# Altium PCB sensorboard.PcbDoc (part 2 of 2)
Units mm, origin at the board's own origin, x right, y up, seen from the top; angles counter-clockwise.
Board outline 60 x 60 mm, 4 copper layers (Top Layer, GND, VDD, Bottom Layer), stack 1.57 mm thick; 93 components, 66 nets, 334 pads, 98 vias.
Unrouted connection lines stored in the file: 120.
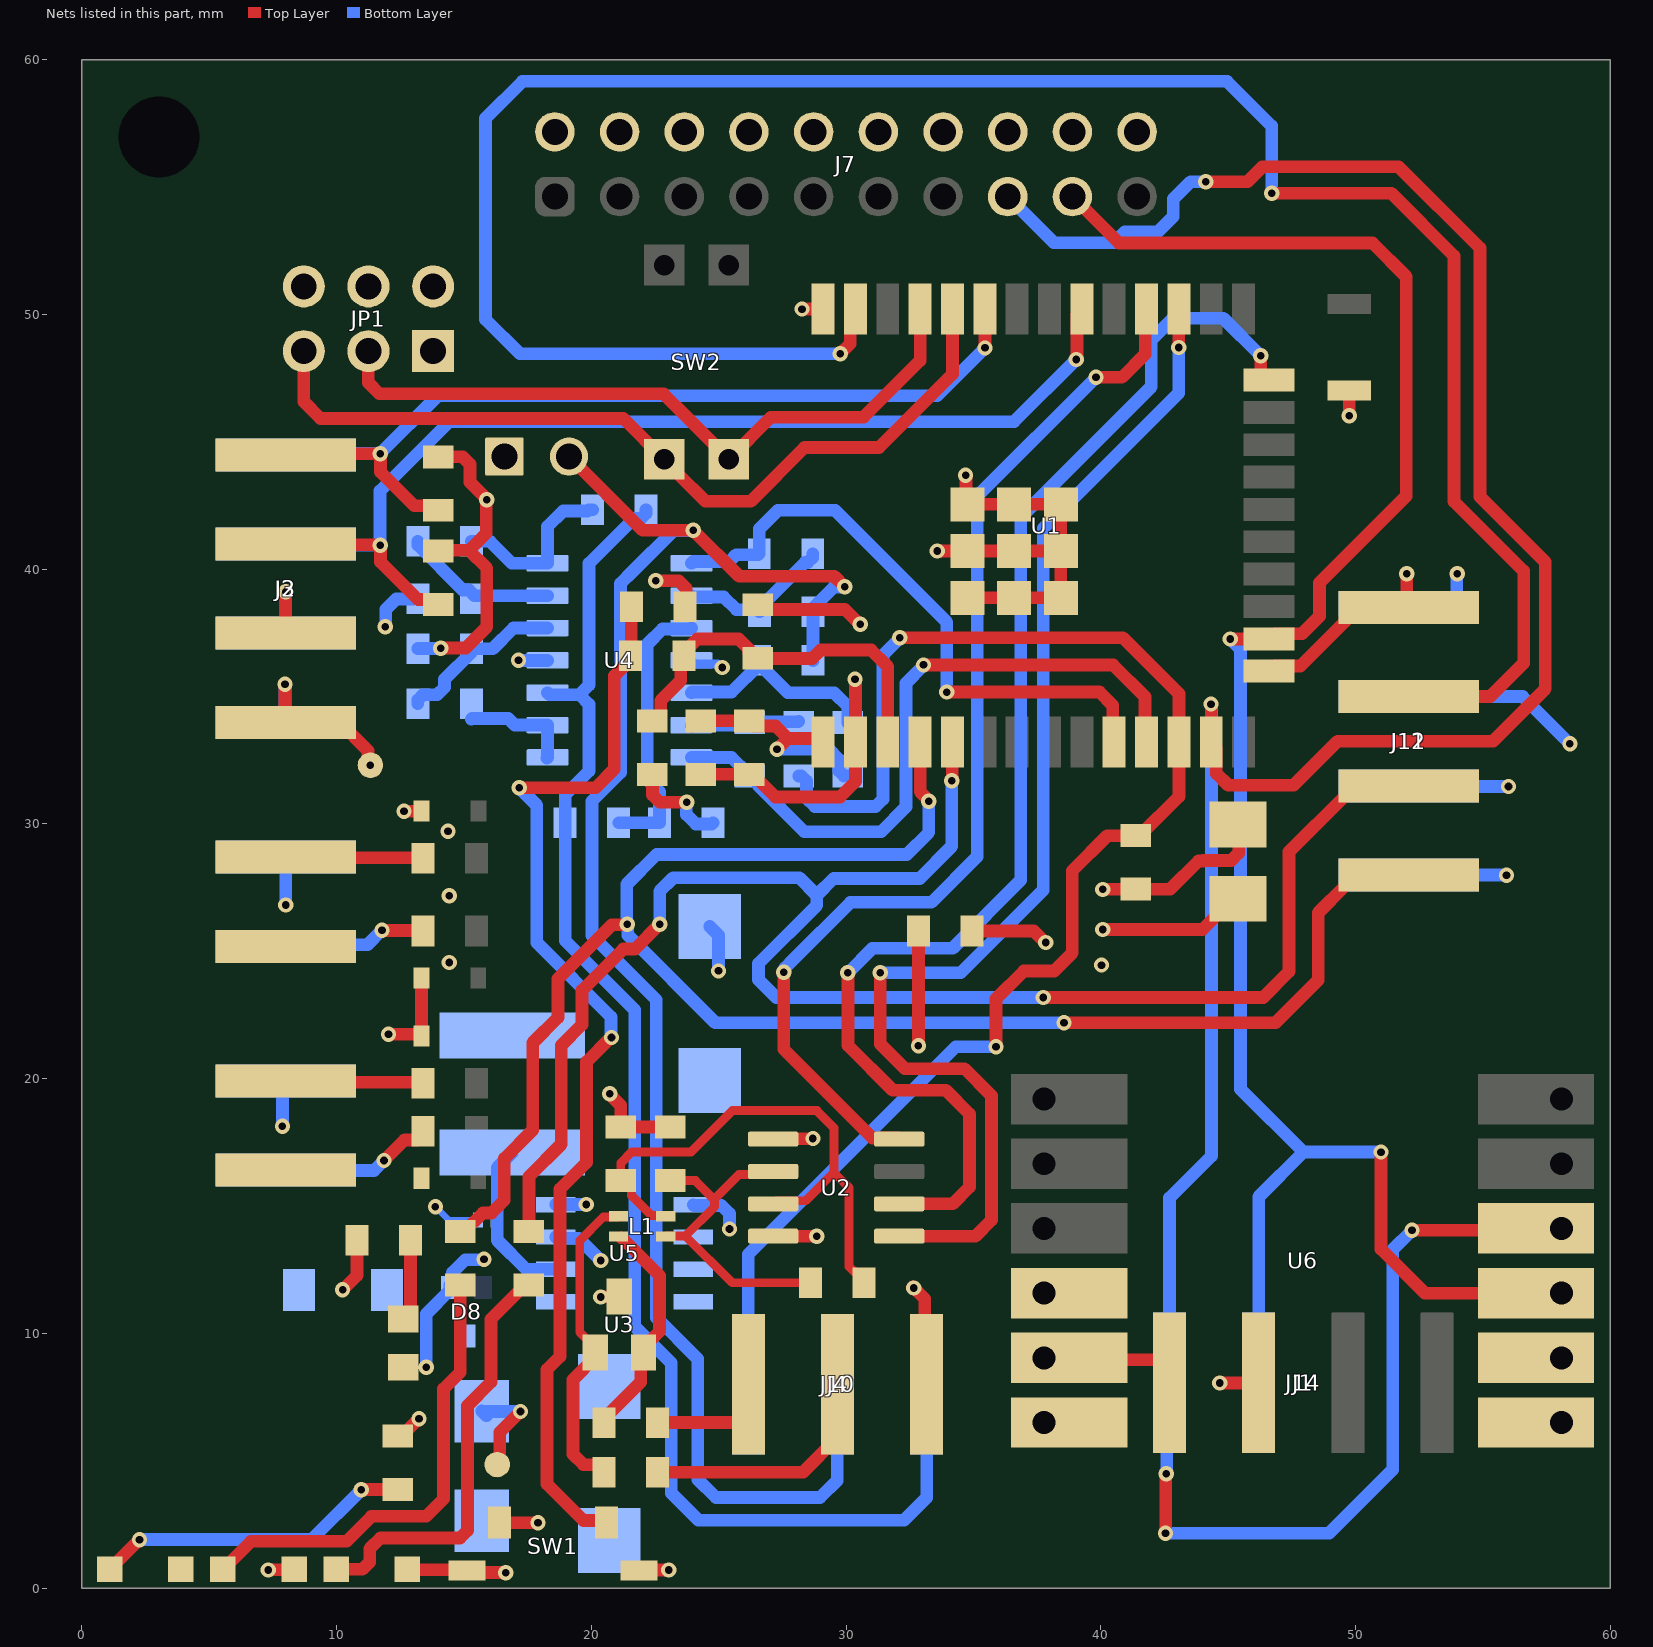
[diagram p4: the nets of this part, all layers, seen from the top]

## Via types
v1: diameter 0.6, hole 0.3, Top Layer to Bottom Layer, tented both sides, 98 vias

## Nets (pads, with @x,y where several pads share a name; then routed paths per layer and width w, separated by ;. In a path a pad name is that pad's centre, name@x,y a point inside that pad or via, vN(x,y) a via of type N, cw(c..) or ccw(c..) an arc to the next point about the centre after c; other vN are vias at no path point) (continued)
ETH_MOSI: J7.17 J14.3 U1.16 U6.9 | length 78.9
  Top Layer w0.5: J7.17@38.89,54.63 40.713,52.807 50.673,52.807 51.994,51.486 51.994,42.875 48.59,39.472 48.59,38.154 47.906,37.47 46.81,37.47 46.606,37.266 45.089,37.266 v1(45.085,37.262) ; v1(51.003,17.12) 51.003,13.31 52.733,11.58 U6.9@58.1,11.58
  Bottom Layer w0.5: v1(45.085,37.262) 45.491,36.855 45.491,19.583 47.955,17.12 ; J14.3@46.203,8.06 46.203,15.367 47.955,17.12 ; v1(51.003,17.12) 47.955,17.12 ; U6.9@57.996,11.633 U6.9@58.049,11.58
ETH_SCLK: J7.15 J14.4 U1.13 U6.10 | length 117
  Top Layer w0.5: v1(42.545,2.159) 42.558,2.172 42.558,4.483 v1(42.57,4.496) ; v1(44.12,55.22) 45.771,55.22 46.355,55.804 51.697,55.804 54.889,52.612 54.889,42.85 57.455,40.284 57.455,35.306 55.397,33.249 49.301,33.249 47.574,31.521 45.005,31.521 44.54,31.986 44.54,33.015 44.336,33.219 44.336,34.703 v1(44.332,34.707) ; v1(52.222,14.046) 58.026,14.046 U6.10@58.1,14.12
  Bottom Layer w0.5: J7.15@36.35,54.63 38.162,52.818 40.513,52.818 40.95,53.255 42.257,53.255 42.85,53.848 42.85,54.534 43.536,55.22 v1(44.12,55.22) ; v1(42.545,2.159) 48.971,2.159 51.46,4.648 51.46,13.284 v1(52.222,14.046) ; v1(42.57,4.496) 42.59,4.515 42.59,7.947 J14.4@42.703,8.06 42.703,15.321 44.348,16.967 44.348,34.69 v1(44.332,34.707)
GND: BR1.NEG BR1.~. C1.1 C2.1 C3.1 C4.1 C5.2 C7.2 C8.2 C9.2 C10.2 C11.2 D1.1 D2.1 D3.2 D4.2 D5.1 D6.1 D7.1 D8.1 D9.2 D10.2 D11.1 J1.2 J2.2 J3.3 J4.3 J5.2 J6.2 J7.12 J7.14 J7.16 J7.18 J7.20 J8.2 J9.2 J11.4 J12.3 J12.4 J13.2 J13.3 JP1.2 JP1.6 MH1.1 PS1.3 R16.2 R17.2 R22.2 R26.2 S1.2 SW1.1 SW1.3 SW1.4 U1.1 U1.15 U1.38 U1.39 U2.5 U3.3 U4.4 U5.4 U5.5 U5.6 U5.7 U5.8 U6.6 U6.7 U6.8 | length 107.1
  Top Layer w0.5: v1(7.315,0.711) 7.328,0.724 8.321,0.724 D3.2@8.334,0.737 ; J3.3@8,37.5 8.001,37.501 v1(8.001,39.116) ; v1(12.04,21.742) 13.275,21.742 D2.1@13.337,21.68 D6.1@13.338,23.95 ; v1(12.649,30.505) D1.1@13.34,30.505 ; D4.2@12.779,0.737 12.797,0.718 15.107,0.718 15.215,0.61 v1(16.637,0.61) ; SW1.1@16.4,2.585 16.58,2.585 16.6,2.565 v1(17.907,2.565) ; v1(20.373,11.43) 20.383,11.44 21.09,11.44 U3.3@21.1,11.45 ; v1(20.726,19.406) 20.726,19.379 21.158,18.947 21.158,18.108 C8.2@21.15,18.1 23.285,18.1 C7.2@23.4,17.985 ; SW1.4@21.875,0.7 21.886,0.711 v1(23.038,0.711) ; C3.1@22.4,31.95 22.403,31.947 22.403,31.143 22.696,30.85 v1(23.75,30.85) ; v1(22.53,39.549) 23.431,39.549 23.724,39.256 23.724,38.574 C4.1@23.681,38.532 ; C2.1@23.95,33.85 24.15,34.05 C1.1@26.2,34.05 26.4,33.85 27.228,33.85 27.718,33.36 ; U2.5@27.141,17.628 27.153,17.64 28.689,17.64 v1(28.701,17.652) ; v1(27.293,32.935) 27.718,33.36 ; v1(28.27,50.216) U1.38@29.099,50.216 ; U1.1@29.1,33.186 28.926,33.36 27.718,33.36 ; v1@32.625,11.825 v1(32.664,11.786) 33.096,11.354 33.096,8.28 33.15,8.227 J4.3@33.15,8 ; v1(33.579,40.716) v1(33.579,40.716) U1.39@34.765,40.715 U1.39@36.6,40.715 U1.39@38.435,40.715 ; v1(34.695,43.689) 34.714,43.67 34.714,42.601 U1.39@34.765,42.55 U1.39@36.6,42.55 U1.39@38.435,42.55 U1.39@38.435,40.715 ; U1.39@34.765,38.88 U1.39@36.6,38.88 U1.39@38.435,38.88 U1.39@38.435,40.715 ; C5.2@34.95,25.8 37.37,25.8 37.821,25.349 v1(37.846,25.349) ; v1(40.081,27.432) 40.089,27.44 R22.2@41.377,27.44 42.727,27.44 43.838,28.552 44.014,28.552 44.026,28.564 45.122,28.564 45.415,28.857 45.415,29.959 C11.2@45.39,29.984 ; v1(44.679,8.052) 46.194,8.052 J1.2@46.203,8.06 ; U1.15@46.61,36 46.81,36.2 47.838,36.2 49.589,37.951 49.589,38.104 49.987,38.501 J11.4@52.095,38.501 52.019,38.577 v1(52.019,39.827) ; v1(49.759,46.025) S1.2@49.759,47.092
  Bottom Layer w0.254: v1(13.88,14.974) 14.401,14.453 D11.1@15.55,14.453
  Bottom Layer w0.5: v1(7.874,18.136) 7.874,19.774 J8.2@8,19.9 ; J9.2@8,28.7 8.001,28.699 v1(8.001,26.822) ; J2.2@8,37.5 8.001,37.501 v1(8.001,39.116) ; v1(11.913,37.744) 11.932,37.764 11.932,38.424 12.344,38.837 R17.2@13.191,38.837 ; v1(13.525,8.668) 13.525,10.775 14.45,11.7 D8.1@14.45,11.9 ; D8.1@14.45,11.8 14.55,11.9 14.55,12.391 15.047,12.888 15.767,12.888 v1(15.786,12.907) ; v1(17.145,36.424) U4.4@18.282,36.424 ; U5.4@18.6,15.055 18.604,15.059 19.796,15.059 v1(19.8,15.062) ; v1(23.75,30.85) 23.732,30.832 23.732,30.37 24.105,29.997 24.731,29.997 R16.2@24.782,30.048 ; U5.5@24,15.055 24.029,15.026 25.106,15.026 25.425,14.707 v1(25.425,14.097) ; C10.2@24.65,25.975 24.994,25.631 v1(24.994,24.232) ; v1(27.293,32.935) 29.32,32.935 29.724,32.532 29.724,32.085 29.924,31.885 R26.2@30.074,31.885 ; J12.4@52.1,28 52.105,27.995 55.926,27.995 v1(55.931,27.991) ; J12.3@52.1,31.5 52.129,31.471 v1(56.007,31.471)
GPIO_1: J11.1 R9.2 U1.4 | length 69.8
  Top Layer w0.5: R9.2@14.859,13.995 15.009,13.995 15.746,14.732 16.078,14.732 16.586,15.24 16.586,16.866 17.704,17.983 17.704,21.412 18.694,22.403 18.694,23.927 20.81,26.043 21.392,26.043 v1(21.411,26.062) ; U1.4@32.91,33.215 32.91,31.268 33.254,30.924 v1(33.254,30.897) ; v1(38.557,22.2) 46.863,22.2 48.539,23.876 48.539,26.518 49.589,27.568 49.589,27.603 49.987,28.001 J11.1@52.095,28.001
  Bottom Layer w0.5: v1@21.393,26.08 21.393,27.632 22.565,28.804 32.385,28.804 33.254,29.672 v1(33.254,30.897) ; v1(21.411,26.062) 21.43,26.043 21.43,25.636 24.867,22.2 v1(38.557,22.2)
GPIO_2: J11.2 R10.2 U1.5 | length 68.9
  Top Layer w0.5: R10.2@17.551,13.995 17.551,16.154 18.821,17.424 18.821,21.31 19.634,22.122 19.634,23.47 21.26,25.095 21.717,25.095 v1(22.684,26.062) ; v1(34.154,31.699) 34.167,31.712 34.167,33.202 U1.5@34.18,33.215 ; v1(37.744,23.19) 46.38,23.19 47.396,24.206 47.396,28.91 49.589,31.103 49.987,31.501 J11.2@52.095,31.501
  Bottom Layer w0.5: v1(22.684,26.062) 22.684,27.357 23.216,27.889 28.169,27.889 28.854,27.203 ; v1(34.154,31.699) 34.154,29.125 32.893,27.864 29.515,27.864 28.854,27.203 ; v1@37.744,23.216 37.719,23.19 27.262,23.19 26.568,23.884 26.568,24.519 28.854,26.805 28.854,27.203
GPIO_3: J11.3 U1.37 | length 89.6
  Top Layer w0.5: v1(29.769,48.463) 30.17,48.864 30.17,50.015 U1.37@30.37,50.215 ; v1(46.711,54.762) 51.41,54.762 53.873,52.299 53.873,42.664 56.605,39.932 56.605,36.31 55.296,35.001 J11.3@52.095,35.001
  Bottom Layer w0.5: v1(29.769,48.463) 17.196,48.463 15.85,49.809 15.85,57.709 17.297,59.157 44.958,59.157 46.711,57.404 v1(46.711,54.762)
I2C_SCL: J2.3 J3.2 R3.1 U1.30 | length 44.8
  Top Layer w0.5: J3.2@8,41 8.036,40.964 11.69,40.964 v1@11.729,40.926 ; v1(11.709,40.945) v1@11.729,40.926 ; R3.1@13.995,38.616 13.795,38.816 13.203,38.816 11.729,40.291 v1@11.729,40.926 ; v1(39.04,48.235) 39.04,48.262 39.065,48.287 39.065,50.02 U1.30@39.26,50.215
  Bottom Layer w0.5: J2.3@8,41 8.061,40.939 11.703,40.939 v1(11.709,40.945) 11.709,43.078 14.427,45.796 36.601,45.796 v1(39.04,48.235)
I2C_SDA: J2.4 J3.1 R4.1 U1.33 | length 38.1
  Top Layer w0.5: J3.1@8,44.5 8.038,44.538 v1(11.709,44.538) 11.729,44.519 11.729,43.821 13.059,42.491 13.821,42.491 R4.1@13.995,42.316 ; U1.33@35.45,50.215 35.454,50.211 35.454,48.696 v1(35.458,48.692)
  Bottom Layer w0.5: J2.4@8,44.5 8.052,44.552 11.709,44.552 13.97,46.812 33.579,46.812 v1(35.458,48.692)
MODBUS_*RE: U1.24 U2.2 | length 51.8
  Top Layer w0.5: v1(30.072,24.157) 30.079,24.15 30.079,21.306 31.838,19.546 33.921,19.546 34.849,18.618 34.849,15.748 34.188,15.088 U2.2@32.93,15.088 ; v1(46.279,48.387) 46.279,47.63 46.479,47.43 U1.24@46.61,47.43
  Bottom Layer w0.5: v1(30.072,24.157) 31.036,25.121 34.188,25.121 36.863,27.795 36.863,42.044 41.986,47.168 41.986,48.997 42.845,49.855 44.811,49.855 v1(46.279,48.387)
MODBUS_D: U1.28 U2.4 | length 43.4
  Top Layer w0.5: v1(27.559,24.181) 27.552,24.174 27.552,21.165 31.045,17.673 32.046,17.673 U2.4@32.091,17.628 ; v1(39.814,47.536) 40.831,47.536 41.747,48.453 41.747,50.163 U1.28@41.8,50.215
  Bottom Layer w0.5: v1(27.559,24.181) 27.559,24.208 27.604,24.252 27.604,24.352 27.908,24.657 30.175,26.924 33.35,26.924 35.154,28.727 35.154,42.875 v1(39.814,47.536)
MODBUS_R: U1.27 U2.1 | length 48.7
  Top Layer w0.5: v1(31.344,24.155) 31.349,24.15 31.349,21.356 32.309,20.396 34.646,20.396 35.712,19.329 35.712,14.453 35.077,13.818 U2.1@32.93,13.818 ; v1(43.064,48.706) 43.067,48.709 43.067,50.212 U1.27@43.07,50.215
  Bottom Layer w0.5: v1(31.344,24.155) 34.493,24.155 37.743,27.405 37.743,41.603 43.064,46.925 v1(43.064,48.706)
NetC3_2: C3.2 R1.1 R2.2 U1.3 | length 15.3
  Top Layer w0.5: C3.2@22.4,34.05 22.522,34.05 22.722,34.25 22.722,34.838 23.511,35.627 23.511,36.465 R2.2@23.647,36.601 23.647,36.751 24.158,37.262 25.789,37.262 26.193,36.858 26.193,36.708 26.393,36.508 R1.1@26.543,36.508 26.551,36.5 28.677,36.5 29.007,36.83 30.988,36.83 31.64,36.178 U1.3@31.64,33.215
NetC4_2: C4.2 R2.1 SW1.2 | length 43.5
  Top Layer w0.5: v1(17.17,31.42) 20.167,31.419 20.904,32.156 20.904,35.808 21.547,36.451 R2.1@21.547,36.601 21.564,36.618 21.564,38.515 C4.2@21.581,38.532 ; SW1.2@20.6,2.585 20.526,2.659 19.693,2.659 18.263,4.089 18.263,8.585 18.773,9.096 18.773,15.675 19.812,16.713 19.812,20.663 20.765,21.615 v1(20.792,21.615)
  Bottom Layer w0.5: v1(17.17,31.42) 17.856,30.734 17.856,25.342 20.772,22.426 20.772,21.635 v1(20.792,21.615)
NetC6_2: C6.2 L3.2 PS1.1
NetC7_1: C7.1 L1.1 R29.1 U2.6 | length 13.2
  Top Layer w0.35: L1.1@22.925,13.8 22.95,13.825 23.696,13.825 ; C7.1@23.1,16 24.086,16 24.791,15.294 24.845,15.294 ; U2.6@27.141,16.358 27.021,16.238 25.788,16.238 24.845,15.294 ; R29.1@28.6,11.989 25.533,11.989 23.696,13.825 ; 23.696,13.825 24.845,14.973 24.845,15.294
NetC8_1: C8.1 L1.2 R29.2 U2.7 | length 22.2
  Top Layer w0.35: L1.2@22.925,14.6 22.9,14.625 22.37,14.625 21.575,15.42 21.575,15.725 21.3,16 C8.1@21.15,16 21.158,16.008 21.158,16.688 21.595,17.125 23.917,17.125 25.538,18.745 28.854,18.745 29.526,18.074 29.526,16.318 ; U2.7@27.141,15.088 27.261,15.208 28.416,15.208 29.526,16.318 ; R29.2@30.7,11.989 30.7,12.139 30.425,12.414 30.329,12.414 30.124,12.619 30.124,15.719 29.526,16.318
NetC12_1: C12.1 L3.3 PS1.2
NetC13_2: C13.2 F2.2 L3.1 R30.2
NetD3_1: D3.1 R9.1 | length 18.5
  Top Layer w0.5: D3.1@5.534,0.737 6.634,1.837 10.388,1.837 11.371,2.819 13.512,2.819 14.199,3.505 14.199,7.823 14.859,8.484 R9.1@14.859,11.895
NetD4_1: D4.1 R10.1 | length 16.8
  Top Layer w0.5: D4.1@9.979,0.737 11.01,0.737 11.303,1.029 11.303,1.549 11.723,1.969 14.846,1.969 15.138,2.262 15.138,7.163 16.066,8.09 16.066,10.56 17.401,11.895 R10.1@17.551,11.895
NetD9_1: D9.1 R27.1 | length 3.2
  Top Layer w0.5: D9.1@12.625,10.568 12.628,10.568 12.903,10.843 R27.1@12.903,13.665
NetD10_1: D10.1 R28.1 | length 12.6
  Top Layer w0.5: D10.1@1.089,0.737 v1@2.259,1.906 ; v1(10.973,3.861) 10.981,3.869 R28.1@12.395,3.869
  Bottom Layer w0.5: v1(2.261,1.905) 9.017,1.905 v1(10.973,3.861)
NetD11_2: D11.2 L2.2 U5.2 | length 6.5
  Bottom Layer w0.5: L2.2@16.9,17.1 16.307,16.507 16.307,14.453 16.307,13.659 17.451,12.515 U5.2@18.6,12.515
NetJ4_1: J4.1 R5.1 | length 4.8
  Top Layer w0.5: R5.1@22.6,6.5 25.752,6.5 26.15,6.898 J4.1@26.15,8
NetJ4_2: J4.2 R6.1 | length 9.7
  Top Layer w0.5: R6.1@22.6,4.55 28.308,4.55 29.65,5.892 J4.2@29.65,8
NetJ5_1: J5.1 R7.2 | length 5.4
  Top Layer w0.5: J5.1@8.024,28.676 13.296,28.676 R7.2@13.4,28.572
NetJ6_1: J6.1 R8.2 | length 5.4
  Top Layer w0.5: J6.1@8,19.9 8.035,19.865 13.365,19.865 R8.2@13.4,19.83
NetJ8_1: J8.1 R11.2 | length 6.1
  Top Layer w0.5: v1(11.862,16.789) 12.665,17.593 13.2,17.593 13.4,17.793 R11.2@13.4,17.943
  Bottom Layer w0.5: J8.1@8,16.4 11.472,16.4 v1(11.862,16.789)
NetJ9_1: J9.1 R20.2 | length 5.7
  Top Layer w0.5: v1(11.786,25.832) 11.802,25.816 13.384,25.816 R20.2@13.4,25.8
  Bottom Layer w0.5: J9.1@8,25.2 8.059,25.259 11.213,25.259 v1(11.786,25.832)
NetL1_3: L1.3 R6.2 U3.1 | length 12.5
  Top Layer w0.35: U3.1@20.15,9.25 20.15,9.45 19.548,10.052 19.548,13.644 20.479,14.575 21.05,14.575 L1.3@21.075,14.6
  Top Layer w0.5: U3.1@20.15,9.25 20.15,9.05 19.279,8.179 19.279,5.258 19.688,4.849 20.3,4.849 20.5,4.649 R6.2@20.5,4.55
NetL1_4: L1.4 R5.2 U3.2 | length 8.8
  Top Layer w0.5: R5.2@20.5,6.5 20.5,6.65 21.945,8.095 21.945,9.145 U3.2@22.05,9.25 22.05,9.45 22.682,10.082 22.682,12.268 L1.4@21.2,13.75
NetR12_1: R12.1 R14.1 U4.9 | length 6.1
  Bottom Layer w0.5: U4.9@23.932,38.964 23.983,38.913 25.197,38.913 25.695,38.415 26.516,38.415 R14.1@26.602,38.329 26.602,38.479 28.388,40.265 28.494,40.265 28.694,40.465 R12.1@28.694,40.615
NetR13_1: R13.1 R18.2 U4.7 | length 6.8
  Bottom Layer w0.5: R13.1@15.291,41.097 16.027,41.097 16.891,40.234 U4.7@18.282,40.234 18.282,41.676 18.898,42.291 19.849,42.291 19.9,42.342 R18.2@20.049,42.342
NetR13_2: R13.2 R17.1 U4.6 | length 6.1
  Bottom Layer w0.5: R13.2@13.191,41.097 13.191,40.947 14.951,39.187 15.195,39.187 15.418,38.964 U4.6@18.282,38.964
NetR15_1: R15.1 R16.1 U4.10 | length 10.8
  Bottom Layer w0.5: R15.1@21.074,30.048 R16.1@22.682,30.048 22.682,31.267 22.2,31.75 22.2,37.059 22.792,37.651 23.89,37.651 U4.10@23.932,37.694
NetR19_1: R19.1 R24.2 U4.5 | length 6.7
  Bottom Layer w0.5: R24.2@13.191,34.722 13.191,34.872 13.391,35.072 13.948,35.072 14.241,35.365 14.241,35.681 15.291,36.731 R19.1@15.291,36.881 16.129,36.881 16.942,37.694 U4.5@18.282,37.694
NetR21_1: R21.1 R23.1 U4.13 | length 4.3
  Bottom Layer w0.5: U4.13@23.932,33.884 26.111,33.884 26.238,34.011 28.118,34.011 R23.1@28.143,34.036
NetR24_1: R24.1 U4.1 U4.2 | length 4.4
  Bottom Layer w0.5: 15.291,34.112 15.316,34.138 16.739,34.138 16.993,33.884 U4.2@18.282,33.884 U4.1@18.282,32.614 U4.1@18.257,32.588
NetR25_1: R25.1 R26.1 U4.12 | length 7.9
  Bottom Layer w0.5: U4.12@23.932,35.154 23.958,35.179 25.507,35.179 26.602,36.274 27.722,35.154 29.534,35.154 30.074,34.614 R26.1@30.074,33.985
RT_1: R12.2 U1.10 U4.8 | length 24.2
  Top Layer w0.5: v1(33.96,35.179) 39.954,35.179 40.469,34.664 40.469,33.276 U1.10@40.53,33.215
  Bottom Layer w0.5: U4.8@23.932,40.234 24.007,40.309 25.424,40.309 25.687,40.571 26.55,40.571 R12.2@26.594,40.615 26.594,41.58 27.33,42.316 29.566,42.316 33.96,37.922 v1(33.96,35.179)
RT_2: R21.2 U1.11 U4.14 | length 27.1
  Top Layer w0.5: v1(33.045,36.246) 40.488,36.246 41.739,34.995 41.739,33.276 U1.11@41.8,33.215
  Bottom Layer w0.5: U4.14@23.932,32.614 25.507,32.614 25.863,32.258 25.863,32.085 26.063,31.885 26.363,31.885 26.563,31.685 26.563,31.502 28.372,29.693 31.37,29.693 32.354,30.676 32.354,35.527 33.045,36.219 v1(33.045,36.246)
RTD_1: J10.1 R15.2 R18.1 U4.3 | length 58.7
  Bottom Layer w0.5: U4.3@18.282,35.154 18.357,35.079 19.531,35.079 ; R18.1@22.149,42.342 22.149,42.192 21.949,41.992 21.672,41.992 19.914,40.234 19.914,35.461 19.531,35.079 ; J10.1@33.167,8.001 33.172,7.996 33.172,3.556 32.283,2.667 24.206,2.667 23.139,3.734 23.139,8.834 21.705,10.268 21.705,22.695 18.974,25.427 R15.2@18.974,30.048 18.974,31.14 19.914,32.08 19.914,34.696 19.531,35.079
RTD_2: J10.2 JP2.2 R14.2 R25.2 | length 67.5
  Top Layer w0.5: JP2.2@19.126,44.425 22.022,41.529 v1(24.003,41.529) 25.806,39.726 29.54,39.726 v1(29.947,39.319)
  Bottom Layer w0.5: v1(24.003,41.529) 23.984,41.51 23.217,41.51 21.63,39.922 21.15,39.442 21.15,32.023 20.024,30.897 20.024,25.621 22.555,23.09 22.555,10.62 24.181,8.995 24.181,4.267 24.892,3.556 28.981,3.556 29.655,4.229 29.655,7.988 J10.2@29.667,8.001 ; R25.2@28.702,36.424 28.702,38.479 28.902,38.679 29.523,39.3 29.927,39.3 v1(29.947,39.319)
RTD_3: J10.3 R22.1 R23.2 U1.12 | length 59.3
  Top Layer w0.5: v1(32.106,37.313) 40.869,37.313 43.07,35.111 U1.12@43.07,33.215 43.07,31.084 41.527,29.54 40.259,29.54 38.887,28.169 38.887,24.943 38.176,24.232 36.982,24.232 35.89,23.139 v1(35.89,21.26)
  Bottom Layer w0.5: J10.3@26.167,8.001 26.167,13.112 34.315,21.26 v1(35.89,21.26) ; R23.2@28.143,31.885 28.248,31.885 28.448,31.685 28.448,31.013 28.778,30.683 31.159,30.683 31.451,30.976 31.451,36.631 32.106,37.286 v1(32.106,37.313)
RXD0: JP1.5 SW2.2 U1.34 | length 32.9
  Top Layer w0.5: JP1.5@8.712,48.565 8.712,46.584 9.373,45.923 21.26,45.923 SW2.2@22.86,44.323 ; SW2.2@23.41,43.773 23.41,43.748 24.486,42.672 26.264,42.672 28.372,44.78 31.293,44.78 34.18,47.667 U1.34@34.18,50.215
TXD0: JP1.3 SW2.1 U1.35 | length 27.8
  Top Layer w0.5: JP1.3@11.252,48.565 11.244,48.556 11.244,47.329 11.684,46.888 22.835,46.888 23.774,45.949 24.85,44.873 SW2.1@25.4,44.323 27.051,45.974 30.683,45.974 32.91,48.201 U1.35@32.91,50.215
VDD3.3: C1.2 C2.2 C5.1 C10.1 C11.1 J1.1 J2.1 J3.4 J12.1 JP1.1 L2.1 R1.2 R3.2 R4.2 R19.2 R28.2 TP10.1 U1.2 U2.8 U5.3 U6.4 U6.5 | length 59
  Top Layer w0.5: v1(7.976,35.484) 7.976,34.388 8.364,34 10.108,34 11.233,32.875 11.233,32.404 v1(11.328,32.309) ; R28.2@12.395,5.969 12.545,5.969 13.231,6.655 v1(13.233,6.655) ; R3.2@13.995,40.716 14.023,40.744 15.201,40.744 ; R4.2@13.995,44.416 14.943,44.416 15.236,44.123 15.236,43.415 15.9,42.752 v1(15.9,42.725) 15.881,42.705 15.881,41.424 15.201,40.744 ; v1(14.091,36.895) 14.11,36.914 15.07,36.914 15.9,37.744 15.9,40.044 15.201,40.744 ; C2.2@24.3,31.95 24.45,31.95 24.5,31.9 24.55,31.95 26.35,31.95 27.236,31.064 29.764,31.064 30.37,31.67 30.37,35.67 v1(30.353,35.687) ; R1.2@26.543,38.608 26.732,38.419 29.956,38.419 30.529,37.846 v1(30.556,37.846) ; U2.8@27.141,13.818 v1(28.854,13.818) ; v1(32.842,21.3) 32.846,21.304 32.846,25.796 C5.1@32.85,25.8 ; U6.5@37.77,9.042 37.846,8.966 42.305,8.966 42.703,8.568 J1.1@42.703,8.06 ; v1(40.081,25.857) 43.993,25.857 44.525,26.389 44.525,26.414 45.175,27.064 C11.1@45.39,27.064
  Bottom Layer w0.5: v1(7.976,35.484) 7.976,34.024 J2.1@8,34 ; R19.2@13.191,36.881 13.198,36.888 14.084,36.888 v1(14.091,36.895) ; U5.3@18.6,13.785 18.65,13.735 19.501,13.735 v1(20.373,12.862) ; J12.1@52.095,38.501 53.577,38.501 53.975,38.899 53.975,39.751 54,39.776 v1(54,39.827)
  other v1: 40.03,24.46 14.427,24.562 14.427,27.178 14.376,29.718
VDD5.0: C9.1 D7.2 D8.2 F1.2 J7.2 J7.4 J7.6 J7.8 J7.10 J12.2 JP1.4 JP2.1 R27.2 TP9.1 U4.11 U5.1 | length 14.8
  Top Layer w0.5: v1(10.236,11.709) 10.803,12.276 R27.2@10.803,13.665 ; TP9.1@16.307,4.851 16.402,4.947 16.402,6.115 v1(17.221,6.934)
  Bottom Layer w0.35: U4.11@23.932,36.424 24.082,36.274 24.949,36.274 25.078,36.144 v1(25.146,36.144)
  Bottom Layer w0.5: D7.2@15.7,6.95 D7.2@15.716,6.934 ; D7.2@15.886,6.764 D7.2@15.716,6.934 ; v1(17.221,6.934) D7.2@15.716,6.934 ; J12.2@52.095,35.001 56.566,35.001 v1(58.42,33.147)
VIN5.0: BR1.POS F1.1 PS1.4
VPower5.0: BR1.~ J13.1
pads on no net: D8.3 J7.19 J15.1 J15.2 J15.3 J15.4 J15.5 J15.6 J15.7 J15.8 J15.9 J15.10 J15.11 J15.12 J16.1 J16.2 J16.3 J16.4 J16.5 J16.6 J16.7 J16.8 J16.9 J16.10 J16.11 J16.12 SH-J1.0 U1.17 U1.18 U1.19 U1.20 U1.21 U1.22 U1.32 U6.3

## Polygon pours and split planes (outlines as drawn)
VDD5.0 on Bottom Layer "VDD5.0_L04_P021" (solid, remove dead copper, pour order 21): 0.535,15.621 12.446,15.621 12.471,15.596 12.471,46.152 14.58,48.26 14.554,48.285 14.554,59.436 0.56,59.436
GND on Bottom Layer "GND_L04_P004" (solid, remove dead copper, pour order 4): 25.186,2.261 26.822,2.261 26.822,0.483 0.533,0.483 0.533,9.5 6.825,9.5 7.125,9.2 7.125,5 7.575,4.55 23.675,4.55 23.825,4.7 23.825,10.55 23.725,10.65 23.025,10.65 22.825,10.85 22.875,10.9 22.875,15.15 23.375,15.65 26.162,15.65 26.162,11.104 25.178,11.106 25.178,4.894
no net on Bottom Layer "NONET_L04_P000" (solid, remove dead copper, pour order 0): 7.45,5.1 7.65,4.9 11.9,4.9 11.9,9.6 10.15,9.6 10.15,15.418 0.533,15.418 0.533,9.8 7.15,9.8 7.45,9.5
VDD5.0 on Bottom Layer "VDD5.0_L04_P009" (solid, remove dead copper, pour order 9): 29.82,53.518 31.902,53.518 34.798,50.622 38.278,50.622 39.548,49.352 39.548,48.235 39.294,47.981 29.82,47.981 29.82,48.971 12.497,48.971 12.497,59.436 29.82,59.436
NetD11_2 on Bottom Layer "NETD11_2_L04_P002" (solid, remove dead copper, pour order 2): 15.4,14.45 12.85,14.45 12.85,15.35 12.85,19.2 21.05,19.2 21.2,19.05 21.2,15.85 20.95,15.6 17.1,15.6 17,15.5 17,13.25 17.1,13.15 19.8,13.15 19.9,13.05 19.9,12.05 19.8,11.95 16.75,11.95 16.6,12.1 16.6,12.45 16.5,12.55 15.5,12.55 15.4,12.65
VDD5.0 on Bottom Layer "VDD5.0_L04_P016" (solid, remove dead copper, pour order 16): 12.319,40.894 17.628,40.894 17.856,41.123 17.856,41.935 18.644,42.723 22.327,42.723 23.292,41.758 23.292,40.945 25.324,40.945 25.476,41.097 25.476,41.148 26.365,42.037 30.328,42.037 34.188,38.176 34.747,38.176 34.747,38.278 34.798,38.329 34.798,43.002 37.465,45.669 37.465,46.177 15.215,46.177 12.319,43.282
GND on Bottom Layer "GND_L04_P020" (solid, remove dead copper, pour order 20): 43.256,3.886 53.543,3.886 54.61,4.953 54.61,18.288 54.077,18.821 54.051,18.796 43.663,18.796 43.205,18.339
VDD3.3 on Bottom Layer "VDD3.3_L04_P011" (solid, remove dead copper, pour order 11): 43.891,20.549 43.891,5.359 43.917,5.334 59.385,5.334 59.385,0.559 26.797,0.559 26.797,16.281 20.625,16.281 20.32,16.586 20.32,18.313 20.117,18.517 12.624,18.517 12.497,18.644 12.497,31.344 17.755,31.344 17.755,29.032 20.549,26.238 20.549,24.13 21.184,23.495 27.026,23.495 27.508,23.978 35.052,23.978 38.323,27.249 38.323,41.549 42.469,45.695 42.723,45.441 42.774,45.441 42.774,38.405 42.393,38.024 41.681,38.024 41.681,20.549
VDD3.3 on Bottom Layer "VDD3.3_L04_P003" (solid, remove dead copper, pour order 3): 17.2,14.5 17.2,13.35 17.25,13.3 20.25,13.3 20.35,13.2 20.35,12.3 20.5,12.15 22.45,12.15 22.55,12.25 22.55,15.15 23.25,15.85 27.95,15.85 27.95,24.35 23.75,24.35 23.75,27.15 23.15,27.75 12.8,27.75 12.8,19.45 21.45,19.45 21.7,19.2 21.7,15.75 21.35,15.4 20.9,15.4 20.6,15.1 20.6,14.65 20.45,14.5
VDD5.0 on Bottom Layer "VDD5.0_L04_P001" (solid, remove dead copper, pour order 1): 22.55,11.9 22.55,10.375 23.45,10.375 23.45,4.8 13.05,4.8 13.05,9.45 12.25,10.25 10.55,10.25 10.55,13.65 13.55,13.65 13.55,11.1 13.8,10.85 16.9,10.85 17.15,11.1 17.15,11.9
VDD5.0 on Bottom Layer "VDD5.0_L04_P013" (solid, remove dead copper, pour order 13): 9.957,15.443 9.957,10.843 10.55,10.25 12.051,10.25 12.319,9.982 12.319,4.191 24.892,4.191 24.892,10.643 22.835,10.643 22.835,11.913 16.307,11.913 16.307,11.151 14.453,11.151 13.894,10.592 13.894,8.331 13.157,8.331 13.157,15.443
GND on Bottom Layer "GND_L04_P010" (solid, remove dead copper, pour order 10): 48.083,37.769 45.783,40.069 45.783,44.742 47.828,46.787 47.823,53.111 30.175,53.111 30.175,59.436 59.436,59.436 59.436,19.583 49.682,19.583 48.079,21.187
GND on Top Layer "Top Layer-GND" (solid, remove dead copper, pour order 19): 59.436,0.559 59.436,56 59.436,59.436 30.175,59.436 30.175,53.34 45.871,53.34 45.873,35.763 20.955,35.763 21.666,36.474 21.666,47.727 18.339,51.054 12.268,51.054 12.268,59.436 0.563,59.436 0.412,0.559 12.268,0.559 12.933,0.559
VDD5.0 on Top Layer "VDD5.0_L01_P005" (solid, remove dead copper, pour order 5): 12.497,59.436 12.497,50.772 29.82,50.772 29.82,59.436
GND on Top Layer "GND_L01_P017" (solid, remove dead copper, pour order 17): 23.673,26.721 20.422,23.47 20.422,22.25 20.955,21.717 20.955,21.234 21.539,20.65 22.733,20.65 22.733,20.701 23.038,20.396 32.969,20.396 33.63,21.057 33.63,26.721
GND on Top Layer "GND_L01_P015" (solid, remove dead copper, pour order 15): 26.441,42.367 22.581,42.367 24.917,40.03 30.378,40.03 32.741,37.668 44.653,37.668 45.263,38.278 45.263,48.692 34.646,48.692 34.646,47.625 31.394,44.374 28.448,44.374
VDD5.0 on VDD (split plane): 59.49,31.998 57.271,31.998 57.271,53.365 57.262,53.463 57.233,53.558 57.187,53.645 57.124,53.721 57.048,53.783 56.961,53.83 56.867,53.858 56.769,53.868 12.497,53.868 12.399,53.858 12.305,53.83 12.218,53.783 12.142,53.721 12.079,53.645 12.033,53.558 12.004,53.463 11.994,53.365 11.994,46.431 12.004,46.333 12.033,46.239 12.079,46.152 12.142,46.076 12.218,46.013 12.305,45.967 12.399,45.938 12.497,45.929 26.066,45.929 26.066,35.504 24.226,35.504 24.226,42.824 24.216,42.922 24.188,43.017 24.141,43.104 24.079,43.18 24.003,43.242 23.916,43.289 23.822,43.317 23.724,43.327 3.175,43.327 3.077,43.317 2.983,43.289 2.896,43.242 2.82,43.18 2.757,43.104 2.711,43.017 2.682,42.922 2.673,42.824 2.673,12.979 2.682,12.881 2.711,12.787 2.757,12.7 2.82,12.624 2.896,12.562 2.983,12.515 3.077,12.487 3.175,12.477 11.156,12.477 11.156,4.648 11.166,4.55 11.194,4.456 11.241,4.369 11.303,4.293 11.379,4.23 11.466,4.184 11.561,4.155 11.659,4.146 14.783,4.146 14.881,4.155 14.975,4.184 15.062,4.23 15.138,4.293 15.201,4.369 15.247,4.456 15.276,4.55 15.285,4.648 15.285,7.092 16.693,7.092 16.693,0.51 0.51,0.51 0.51,59.49 59.49,59.49
VDD3.3 on VDD (split plane): 56.267,31.496 56.276,31.398 56.305,31.304 56.351,31.217 56.414,31.141 56.49,31.078 56.577,31.032 56.671,31.003 56.769,30.994 59.49,30.994 59.49,0.51 17.698,0.51 17.698,7.595 17.689,7.693 17.66,7.787 17.614,7.874 17.551,7.95 17.475,8.012 17.388,8.059 17.294,8.087 17.196,8.097 14.783,8.097 14.685,8.087 14.591,8.059 14.504,8.012 14.428,7.95 14.365,7.874 14.319,7.787 14.29,7.693 14.28,7.595 14.28,5.151 12.161,5.151 12.161,12.954 12.151,13.052 12.123,13.146 12.076,13.233 12.014,13.309 11.988,13.335 11.912,13.397 11.825,13.444 11.731,13.472 11.633,13.482 3.677,13.482 3.677,42.322 23.221,42.322 23.221,35.001 23.231,34.903 23.259,34.809 23.306,34.722 23.368,34.646 23.444,34.583 23.531,34.537 23.626,34.508 23.724,34.499 26.568,34.499 26.666,34.508 26.761,34.537 26.848,34.583 26.924,34.646 26.986,34.722 27.033,34.809 27.061,34.903 27.071,35.001 27.071,46.431 27.061,46.529 27.033,46.623 26.986,46.71 26.924,46.786 26.848,46.849 26.761,46.895 26.666,46.924 26.568,46.934 12.999,46.934 12.999,52.863 56.267,52.863
GND on GND (split plane): 59.49,0.51 0.51,0.51 0.51,59.49 59.49,59.49

## Other copper
VDD (plane layer: these items are gaps in the copper):
  lines w1: 14.757,12.929 14.783,12.903 ; 17.17,0 17.196,0.025 17.196,7.595 14.783,7.595 14.783,4.648 11.659,4.648 11.659,12.954 11.633,12.979 3.175,12.979 3.175,42.824 23.724,42.824 23.724,35.001 26.568,35.001 26.568,46.431 12.497,46.431 12.497,53.365 56.769,53.365 56.769,31.496 59.969,31.496

## Silkscreen, mask and mechanical layers (free items; w line width, h text height)
Top Overlay:
  drawing of 7 lines, arcs and shapes, not listed
Bottom Overlay:
  drawing of 43 lines, arcs and shapes, not listed
Mechanical 16:
  lines w0.1: 18,1.2 19,1.2 ; 18.5,0.7 18.5,1.7
Board Outline:
  the board outline again, w0.2

## Text inside footprints (layer, text, board x,y; h text height)
U6: Top Assembly "o" at 38.03,20.582 h1.27; Top Assembly "CS" at 56.472,16.053 h1.27; Top Assembly "MOSI" at 54.356,11.024 h1.27; Top Assembly "GND" at 55.203,8.484 h1.27; Top Assembly "INT" at 55.414,18.593 h1.27; Top Assembly "GND" at 55.203,5.944 h1.27; Top Assembly "SCLK" at 53.933,13.487 h1.27; Top Assembly "GND" at 37.347,5.944 h1.27; Top Assembly "RST" at 37.347,16.053 h1.27; Top Assembly "VCC" at 37.347,8.484 h1.27; Top Assembly "VCC" at 37.347,11.024 h1.27; Top Assembly "MISO" at 37.347,18.593 h1.27; Top Assembly "NC" at 37.347,13.487 h1.27